# KiCad board TM_MUX_Board_REV_B.kicad_pcb
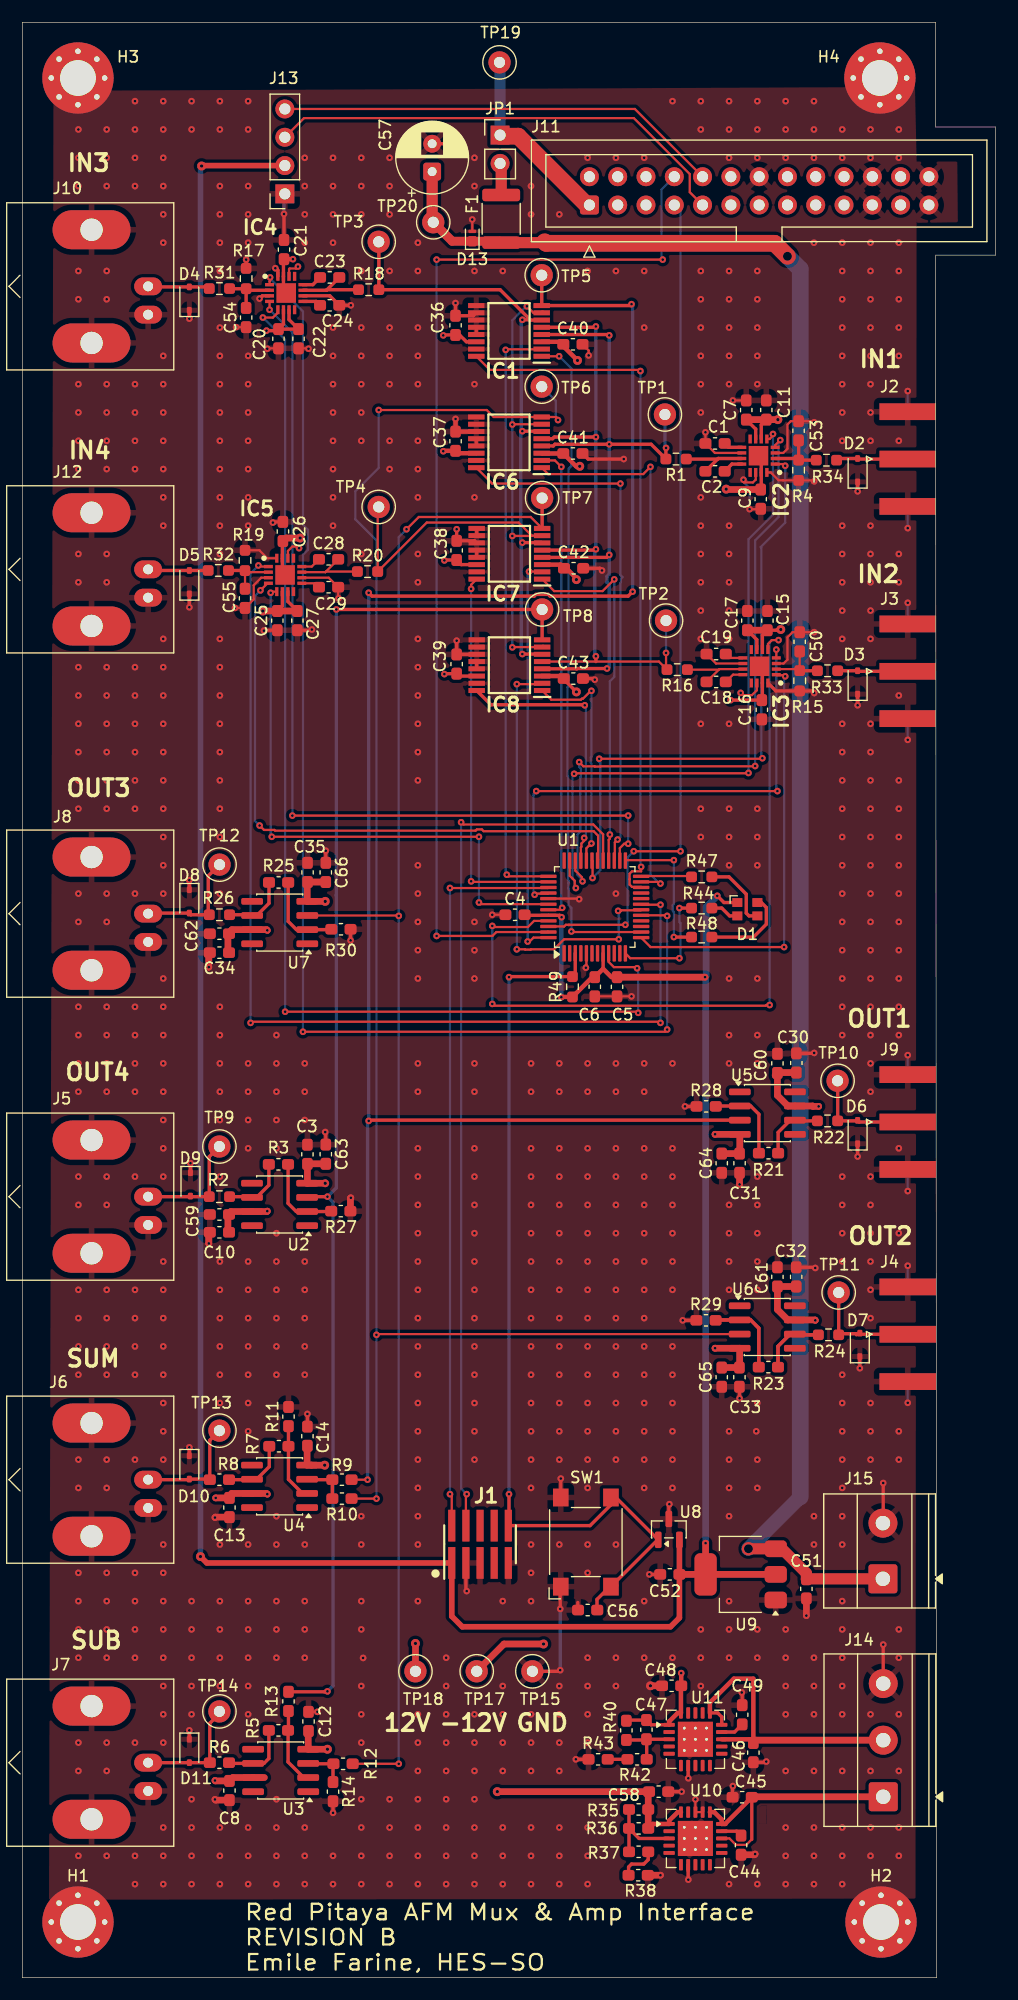
[diagram p0: board, top side]
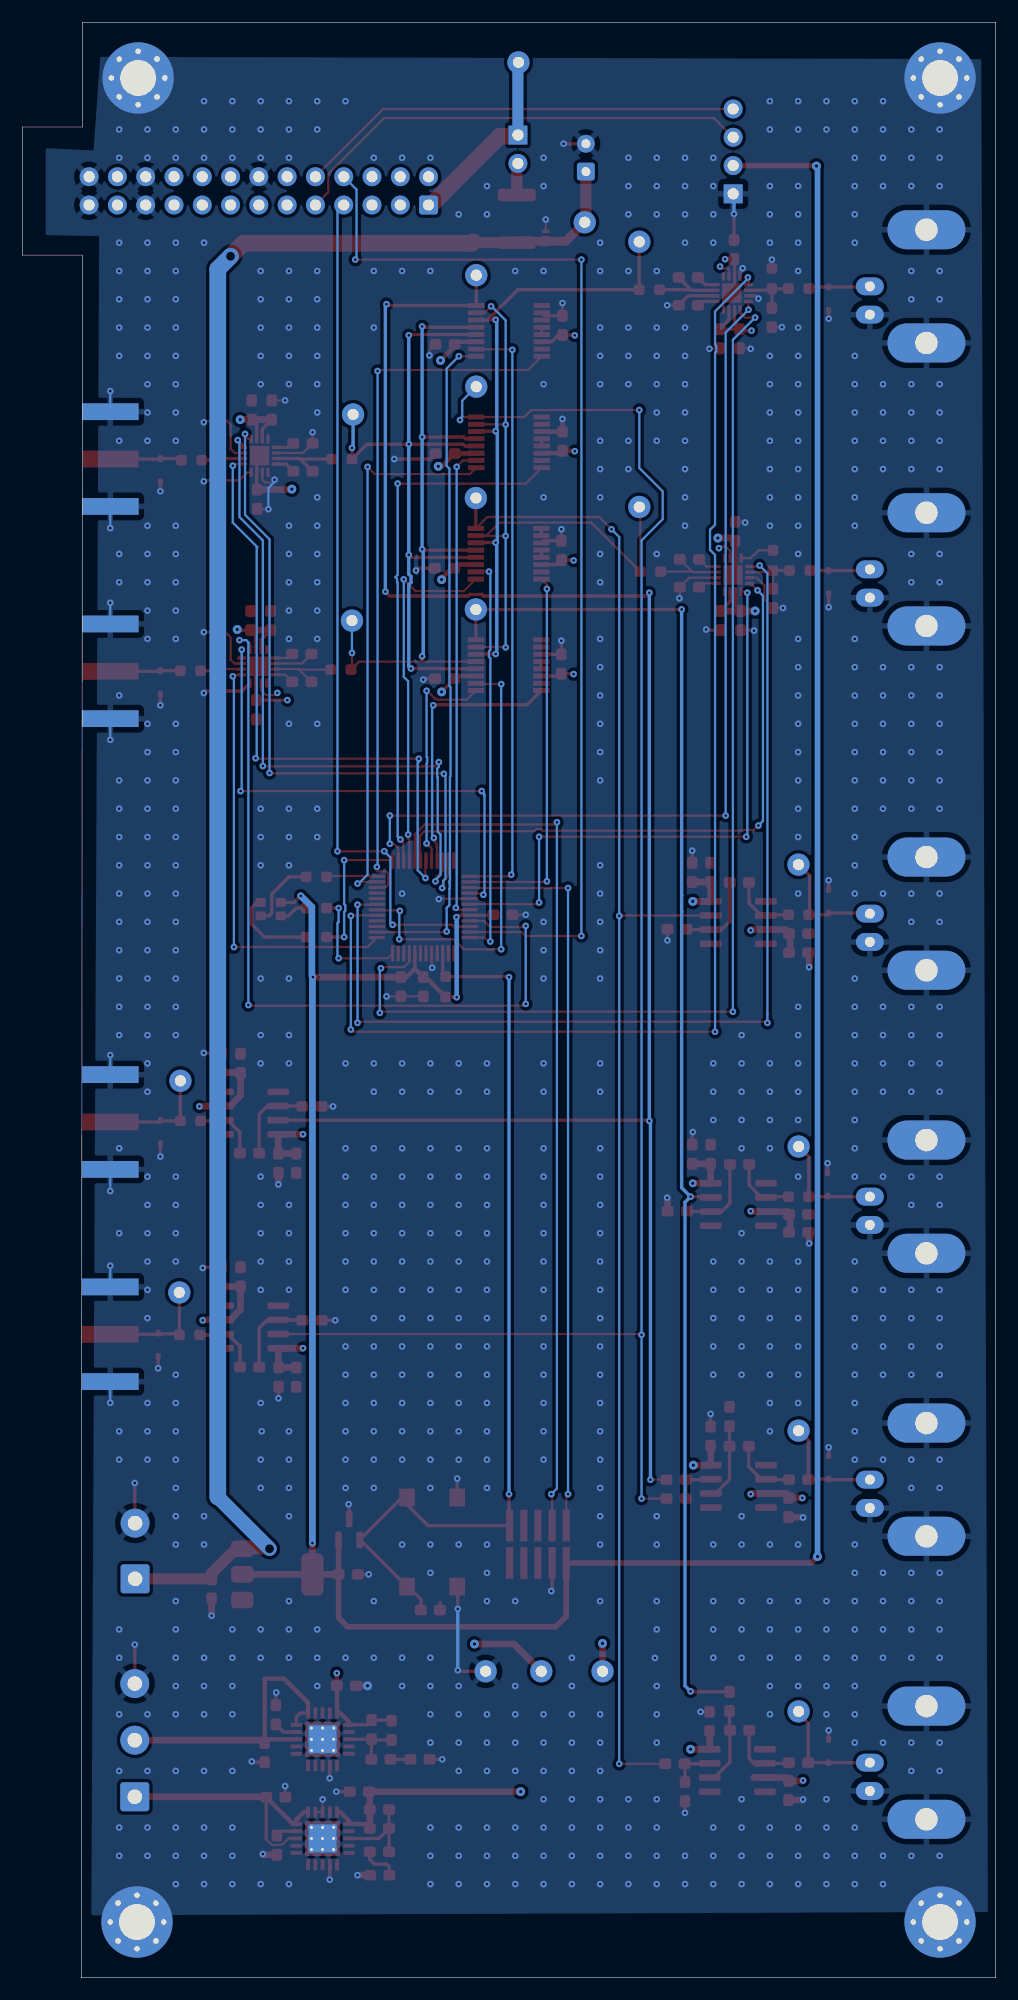
[diagram p1: board, bottom side, seen from below]

Outline 87.4 x 175.5 mm; copper layers: Top, In1.Cu (plane), In2.Cu (plane), Bottom. Coordinates in mm from the lower left corner of the outline.
Outline path: 0,170.8 0,175.5 82,175.5 82,166.1 87.4,166.1 87.4,154.6 82,154.6 82.1,0 0,0 0,170.8
Stack: Top 0.035mm / dielectric 0.1mm FR4 er 4.5 / In1.Cu 0.035mm / dielectric 1.24mm FR4 er 4.5 / In2.Cu 0.035mm / dielectric 0.1mm FR4 er 4.5 / Bottom 0.035mm

## Placement (name value [footprint] x y rotation side)
C1  100pF  [C_0603_1608Metric_Pad1.08x0.95mm_HandSolder]  62.2 137.7 180 top  (not fitted)
C2  100pF  [C_0603_1608Metric_Pad1.08x0.95mm_HandSolder]  62.2 135.2 180 top  (not fitted)
C3  100nF  [C_0603_1608Metric_Pad1.08x0.95mm_HandSolder]  25.6 73.9 90 top
C4  100nF  [C_0603_1608Metric_Pad1.08x0.95mm_HandSolder]  44.24 95.4 0 top
C5  100nF  [C_0603_1608Metric_Pad1.08x0.95mm_HandSolder]  53.4 88.94 90 top
C6  10uF  [C_0603_1608Metric_Pad1.08x0.95mm_HandSolder]  51.4 88.94 90 top
C7  100nF  [C_0603_1608Metric_Pad1.08x0.95mm_HandSolder]  65 140.7 90 top
C8  100nF  [C_0603_1608Metric_Pad1.08x0.95mm_HandSolder]  18.6 16.8 90 top
C9  100nF  [C_0603_1608Metric_Pad1.08x0.95mm_HandSolder]  66.3 132.7 270 top
C10  100nF  [C_0603_1608Metric_Pad1.08x0.95mm_HandSolder]  17.7 66.9 0 top
C11  100nF  [C_0603_1608Metric_Pad1.08x0.95mm_HandSolder]  66.8 140.7 270 top
C12  100nF  [C_0603_1608Metric_Pad1.08x0.95mm_HandSolder]  25.7 23 90 top
C13  100nF  [C_0603_1608Metric_Pad1.08x0.95mm_HandSolder]  18.6 42.2 90 top
C14  100nF  [C_0603_1608Metric_Pad1.08x0.95mm_HandSolder]  25.6 48.6 90 top
C15  100nF  [C_0603_1608Metric_Pad1.08x0.95mm_HandSolder]  66.9 121.8 270 top
C16  100nF  [C_0603_1608Metric_Pad1.08x0.95mm_HandSolder]  66.4 113.8 270 top
C17  100nF  [C_0603_1608Metric_Pad1.08x0.95mm_HandSolder]  65.1 121.8 90 top
C18  100pF  [C_0603_1608Metric_Pad1.08x0.95mm_HandSolder]  62.3 116.3 180 top  (not fitted)
C19  100pF  [C_0603_1608Metric_Pad1.08x0.95mm_HandSolder]  62.3 118.8 180 top  (not fitted)
C20  100nF  [C_0603_1608Metric_Pad1.08x0.95mm_HandSolder]  23 147.1 90 top
C21  100nF  [C_0603_1608Metric_Pad1.08x0.95mm_HandSolder]  23.5 155.1 90 top
C22  100nF  [C_0603_1608Metric_Pad1.08x0.95mm_HandSolder]  24.8 147.1 270 top
C23  100pF  [C_0603_1608Metric_Pad1.08x0.95mm_HandSolder]  27.6 152.6 0 top  (not fitted)
C24  100pF  [C_0603_1608Metric_Pad1.08x0.95mm_HandSolder]  27.6 150.1 0 top  (not fitted)
C25  100nF  [C_0603_1608Metric_Pad1.08x0.95mm_HandSolder]  22.9 121.8 90 top
C26  100nF  [C_0603_1608Metric_Pad1.08x0.95mm_HandSolder]  23.4 129.8 90 top
C27  100nF  [C_0603_1608Metric_Pad1.08x0.95mm_HandSolder]  24.7 121.8 270 top
C28  100pF  [C_0603_1608Metric_Pad1.08x0.95mm_HandSolder]  27.5 127.3 0 top  (not fitted)
C29  100pF  [C_0603_1608Metric_Pad1.08x0.95mm_HandSolder]  27.5 124.8 0 top  (not fitted)
C30  100nF  [C_0603_1608Metric_Pad1.08x0.95mm_HandSolder]  69.5 82.1 270 top
C31  100nF  [C_0603_1608Metric_Pad1.08x0.95mm_HandSolder]  64.4 73.1 270 top
C32  100nF  [C_0603_1608Metric_Pad1.08x0.95mm_HandSolder]  69.49 62.9 270 top
C33  100nF  [C_0603_1608Metric_Pad1.08x0.95mm_HandSolder]  64.39 53.9 270 top
C34  100nF  [C_0603_1608Metric_Pad1.08x0.95mm_HandSolder]  17.7 92 0 top
C35  100nF  [C_0603_1608Metric_Pad1.08x0.95mm_HandSolder]  25.61 99.2 90 top
C36  100nF  [C_0603_1608Metric_Pad1.08x0.95mm_HandSolder]  38.9 148.3 270 top
C37  100nF  [C_0603_1608Metric_Pad1.08x0.95mm_HandSolder]  38.9 137.9 270 top
C38  100nF  [C_0603_1608Metric_Pad1.08x0.95mm_HandSolder]  39 128.1 270 top
C39  100nF  [C_0603_1608Metric_Pad1.08x0.95mm_HandSolder]  39 117.9 270 top
C40  100nF  [C_0603_1608Metric_Pad1.08x0.95mm_HandSolder]  49.44 146.6 0 top
C41  100nF  [C_0603_1608Metric_Pad1.08x0.95mm_HandSolder]  49.44 136.8 0 top
C42  100nF  [C_0603_1608Metric_Pad1.08x0.95mm_HandSolder]  49.5 126.5 0 top
C43  100nF  [C_0603_1608Metric_Pad1.08x0.95mm_HandSolder]  49.48 116.6 0 top
C44  1uF  [C_0603_1608Metric_Pad1.08x0.95mm_HandSolder]  64.54 11.9 270 top
C45  10uF  [C_0603_1608Metric_Pad1.08x0.95mm_HandSolder]  64.64 16.2 180 top
C46  10uF  [C_0603_1608Metric_Pad1.08x0.95mm_HandSolder]  65.64 20.2 270 top
C47  10nF  [C_0603_1608Metric_Pad1.08x0.95mm_HandSolder]  56.04 22.26 90 top
C48  47uF  [C_0603_1608Metric_Pad1.08x0.95mm_HandSolder]  58.3 26.2 0 top
C49  1uF  [C_0603_1608Metric_Pad1.08x0.95mm_HandSolder]  64.64 23.6 270 top
C50  47pF  [C_0603_1608Metric_Pad1.08x0.95mm_HandSolder]  69.8 119.9 90 top
C51  1uF  [C_0603_1608Metric_Pad1.08x0.95mm_HandSolder]  70.4 34.9 270 top
C52  2u2F  [C_0603_1608Metric_Pad1.08x0.95mm_HandSolder]  58.14 36.2 180 top
C53  47pF  [C_0603_1608Metric_Pad1.08x0.95mm_HandSolder]  69.7 138.84 90 top
C54  47pF  [C_0603_1608Metric_Pad1.08x0.95mm_HandSolder]  20.1 149 270 top
C55  47pF  [C_0603_1608Metric_Pad1.08x0.95mm_HandSolder]  20 123.8 270 top
C56  100nF  [C_0603_1608Metric_Pad1.08x0.95mm_HandSolder]  50.76 33 180 top
C57  220uF 16V  [CP_Radial_D6.3mm_P2.50mm]  36.8 162.1 90 top
C58  47uF  [C_0603_1608Metric_Pad1.08x0.95mm_HandSolder]  57.14 16.7 0 top
C59  1uF  [C_0603_1608Metric_Pad1.08x0.95mm_HandSolder]  17.7 68.5 0 top
C60  1uF  [C_0603_1608Metric_Pad1.08x0.95mm_HandSolder]  67.8 82.06 270 top
C61  1uF  [C_0603_1608Metric_Pad1.08x0.95mm_HandSolder]  67.8 62.9 270 top
C62  1uF  [C_0603_1608Metric_Pad1.08x0.95mm_HandSolder]  17.7 93.7 0 top
C63  1uF  [C_0603_1608Metric_Pad1.08x0.95mm_HandSolder]  27.25 73.91 270 top
C64  1uF  [C_0603_1608Metric_Pad1.08x0.95mm_HandSolder]  62.8 73.1 90 top
C65  1uF  [C_0603_1608Metric_Pad1.08x0.95mm_HandSolder]  62.8 53.9 90 top
C66  1uF  [C_0603_1608Metric_Pad1.08x0.95mm_HandSolder]  27.25 99.2 270 top
D1  LED_ARGB  [LED_ASMB-KTF0-0A306]  65.1 95.9 0 top
D2  SD12_SOD323  [D_SOD-323]  75 135.3 90 top
D3  SD12_SOD323  [D_SOD-323]  75 116.25 90 top
D4  SD12_SOD323  [D_SOD-323]  15 150.7 90 top
D5  SD12_SOD323  [D_SOD-323]  15 125.25 90 top
D6  SD12_SOD323  [D_SOD-323]  75 75.9 90 top
D7  SD12_SOD323  [D_SOD-323]  75.2 56.8 90 top
D8  SD12_SOD323  [D_SOD-323]  15 96.6 270 top
D9  SD12_SOD323  [D_SOD-323]  15.1 71.2 270 top
D10  SD12_SOD323  [D_SOD-323]  15 45.8 270 top
D11  SD12_SOD323  [D_SOD-323]  15 20.35 270 top
D13  PTVS5V0Z1USKP  [Nexperia_DSN1608-2_1.6x0.8mm]  40.4 156.13 90 top
F1  Fuse_Small  [Fuse_1812_4532Metric]  43 157.86 270 top
H1  MountingHole_Pad  [MountingHole_3.2mm_M3_Pad_Via]  5 5 0 top
H2  MountingHole_Pad  [MountingHole_3.2mm_M3_Pad_Via]  77.1 5 0 top
H3  MountingHole_Pad  [MountingHole_3.2mm_M3_Pad_Via]  5 170.5 0 top
H4  MountingHole_Pad  [MountingHole_3.2mm_M3_Pad_Via]  77 170.5 0 top
IC1  ADG1409YRUZ  [SOP65P640X120-16N]  43.7 147.8 180 top
IC2  PGA849RGTR  [QFN50P300X300X100-17N-D]  66.1 136.6 180 top
IC3  PGA849RGTR  [QFN50P300X300X100-17N-D]  66.2 117.7 180 top
IC4  PGA849RGTR  [QFN50P300X300X100-17N-D]  23.7 151.2 0 top
IC5  PGA849RGTR  [QFN50P300X300X100-17N-D]  23.6 125.9 0 top
IC6  ADG1409YRUZ  [SOP65P640X120-16N]  43.7 137.8 180 top
IC7  ADG1409YRUZ  [SOP65P640X120-16N]  43.74 127.8 180 top
IC8  ADG1409YRUZ  [SOP65P640X120-16N]  43.74 117.8 180 top
J1  M50-3600542R  [HUSSP10W40P127_2X5_635X340X420P]  41.1 38.9 0 top
J2  Conn_Coaxial  [SMA_Amphenol_132289_EdgeMount]  79.5 136.3 0 top
J3  Conn_Coaxial  [SMA_Amphenol_132289_EdgeMount]  79.5 117.25 0 top
J4  Conn_Coaxial  [SMA_Amphenol_132289_EdgeMount]  79.5 57.75 0 top
J5  Conn_Coaxial  [BNC_Amphenol_B6252HB-NPP3G-50_Horizontal]  11.3 70.1 90 top
J6  Conn_Coaxial  [BNC_Amphenol_B6252HB-NPP3G-50_Horizontal]  11.3 44.7 90 top
J7  Conn_Coaxial  [BNC_Amphenol_B6252HB-NPP3G-50_Horizontal]  11.3 19.3 90 top
J8  Conn_Coaxial  [BNC_Amphenol_B6252HB-NPP3G-50_Horizontal]  11.3 95.5 90 top
J9  Conn_Coaxial  [SMA_Amphenol_132289_EdgeMount]  79.5 76.8 0 top
J10  Conn_Coaxial  [BNC_Amphenol_B6252HB-NPP3G-50_Horizontal]  11.3 151.8 90 top
J11  Conn_02x13_Odd_Even  [IDC-Header_2x13_P2.54mm_Vertical]  50.92 159.1 90 top
J12  Conn_Coaxial  [BNC_Amphenol_B6252HB-NPP3G-50_Horizontal]  11.3 126.4 90 top
J13  Conn_01x04_Pin  [PinSocket_1x04_P2.54mm_Vertical]  23.58 160.1 180 top
J14  Screw_Terminal_01x03  [TerminalBlock_Phoenix_MKDS-1,5-3-5.08_1x03_P5.08mm_Horizontal]  77.3 16.24 90 top
J15  Screw_Terminal_01x02  [TerminalBlock_Phoenix_MKDS-1,5-2_1x02_P5.00mm_Horizontal]  77.27 35.8 90 top
JP1  Jumper_2_Bridged  [PinHeader_1x02_P2.54mm_Vertical]  42.9 165.38 0 top
R1  47R  [R_0603_1608Metric_Pad0.98x0.95mm_HandSolder]  58.7 136.3 180 top
R2  0R  [R_0603_1608Metric_Pad0.98x0.95mm_HandSolder]  17.7 70.1 180 top
R3  0R  [C_0603_1608Metric_Pad1.08x0.95mm_HandSolder]  23 73 180 top
R4  1MR  [R_0603_1608Metric_Pad0.98x0.95mm_HandSolder]  69.7 135.3 270 top
R5  3kR  [C_0603_1608Metric_Pad1.08x0.95mm_HandSolder]  23 22.2 180 top
R6  0R  [C_0603_1608Metric_Pad1.08x0.95mm_HandSolder]  17.7 19.3 180 top
R7  3kR  [C_0603_1608Metric_Pad1.08x0.95mm_HandSolder]  23.04 47.7 180 top
R8  0R  [C_0603_1608Metric_Pad1.08x0.95mm_HandSolder]  17.7 44.7 180 top
R9  3kR  [C_0603_1608Metric_Pad1.08x0.95mm_HandSolder]  28.7 44.7 180 top
R10  3kR  [C_0603_1608Metric_Pad1.08x0.95mm_HandSolder]  28.7 43 180 top
R11  3kR  [C_0603_1608Metric_Pad1.08x0.95mm_HandSolder]  23.9 50.36 90 top
R12  3kR  [C_0603_1608Metric_Pad1.08x0.95mm_HandSolder]  28.8 19.2 180 top
R13  3kR  [C_0603_1608Metric_Pad1.08x0.95mm_HandSolder]  23.9 24.8 270 top
R14  3kR  [C_0603_1608Metric_Pad1.08x0.95mm_HandSolder]  27.9 16.7 270 top
R15  1MR  [R_0603_1608Metric_Pad0.98x0.95mm_HandSolder]  69.8 116.4 270 top
R16  47R  [R_0603_1608Metric_Pad0.98x0.95mm_HandSolder]  58.8 117.4 180 top
R17  1MR  [R_0603_1608Metric_Pad0.98x0.95mm_HandSolder]  20.1 152.5 90 top
R18  47R  [R_0603_1608Metric_Pad0.98x0.95mm_HandSolder]  31.1 151.5 0 top
R19  1MR  [R_0603_1608Metric_Pad0.98x0.95mm_HandSolder]  20 127.2 90 top
R20  47R  [R_0603_1608Metric_Pad0.98x0.95mm_HandSolder]  31 126.2 0 top
R21  0R  [C_0603_1608Metric_Pad1.08x0.95mm_HandSolder]  67 74 0 top
R22  0R  [R_0603_1608Metric_Pad0.98x0.95mm_HandSolder]  72.3 76.9 0 top
R23  0R  [C_0603_1608Metric_Pad1.08x0.95mm_HandSolder]  66.99 54.8 0 top
R24  0R  [R_0603_1608Metric_Pad0.98x0.95mm_HandSolder]  72.39 57.7 0 top
R25  0R  [C_0603_1608Metric_Pad1.08x0.95mm_HandSolder]  23.01 98.3 180 top
R26  0R  [R_0603_1608Metric_Pad0.98x0.95mm_HandSolder]  17.7 95.4 180 top
R27  3kR  [C_0603_1608Metric_Pad1.08x0.95mm_HandSolder]  28.6 68.8 180 top  (not fitted)
R28  3kR  [C_0603_1608Metric_Pad1.08x0.95mm_HandSolder]  61.4 78.2 0 top  (not fitted)
R29  3kR  [C_0603_1608Metric_Pad1.08x0.95mm_HandSolder]  61.39 59 0 top  (not fitted)
R30  3kR  [C_0603_1608Metric_Pad1.08x0.95mm_HandSolder]  28.61 94.1 180 top  (not fitted)
R31  100R  [R_0603_1608Metric_Pad0.98x0.95mm_HandSolder]  17.7 151.6 0 top
R32  100R  [R_0603_1608Metric_Pad0.98x0.95mm_HandSolder]  17.6 126.3 0 top
R33  100R  [R_0603_1608Metric_Pad0.98x0.95mm_HandSolder]  72.3 117.3 180 top
R34  100R  [R_0603_1608Metric_Pad0.98x0.95mm_HandSolder]  72.2 136.2 180 top
R35  100kR  [C_0603_1608Metric_Pad1.08x0.95mm_HandSolder]  55.34 15.1 0 top
R36  330kR  [C_0603_1608Metric_Pad1.08x0.95mm_HandSolder]  55.34 13.4 0 top
R37  220R  [C_0603_1608Metric_Pad1.08x0.95mm_HandSolder]  55.34 11.3 180 top
R38  10kR  [C_0603_1608Metric_Pad1.08x0.95mm_HandSolder]  55.3 9.2 180 top
R40  1M5R  [C_0603_1608Metric_Pad1.08x0.95mm_HandSolder]  54.24 22.2 90 top
R42  12kR  [C_0603_1608Metric_Pad1.08x0.95mm_HandSolder]  55.2 19.6 0 top
R43  150kR  [C_0603_1608Metric_Pad1.08x0.95mm_HandSolder]  51.7 19.6 0 top
R44  470R  [R_0603_1608Metric_Pad0.98x0.95mm_HandSolder]  61 96 0 top
R47  470R  [R_0603_1608Metric_Pad0.98x0.95mm_HandSolder]  61 98.8 0 top
R48  660R  [R_0603_1608Metric_Pad0.98x0.95mm_HandSolder]  61 93.4 0 top
R49  10kR  [R_0603_1608Metric_Pad0.98x0.95mm_HandSolder]  49.4 88.94 270 top
SW1  SW_Omron_B3FS  [SW_SPST_Omron_B3FS-100xP]  50.6 39.1 90 top
TP1  TestPoint_Small  [TestPoint_Loop_D1.80mm_Drill1.0mm_Beaded]  57.7 140.3 180 top
TP2  TestPoint_Small  [TestPoint_Loop_D1.80mm_Drill1.0mm_Beaded]  57.8 121.8 180 top
TP3  TestPoint_Small  [TestPoint_Loop_D1.80mm_Drill1.0mm_Beaded]  32 155.8 0 top
TP4  TestPoint_Small  [TestPoint_Loop_D1.80mm_Drill1.0mm_Beaded]  32 132 0 top
TP5  TestPoint_Small  [TestPoint_Loop_D1.80mm_Drill1.0mm_Beaded]  46.64 152.8 0 top
TP6  TestPoint_Small  [TestPoint_Loop_D1.80mm_Drill1.0mm_Beaded]  46.64 142.8 0 top
TP7  TestPoint_Small  [TestPoint_Loop_D1.80mm_Drill1.0mm_Beaded]  46.68 132.8 0 top
TP8  TestPoint_Small  [TestPoint_Loop_D1.80mm_Drill1.0mm_Beaded]  46.68 122.8 0 top
TP9  TestPoint_Small  [TestPoint_Loop_D1.80mm_Drill1.0mm_Beaded]  17.7 74.6 180 top
TP10  TestPoint_Small  [TestPoint_Loop_D1.80mm_Drill1.0mm_Beaded]  73.2 80.5 0 top
TP11  TestPoint_Small  [TestPoint_Loop_D1.80mm_Drill1.0mm_Beaded]  73.3 61.5 0 top
TP12  TestPoint_Small  [TestPoint_Loop_D1.80mm_Drill1.0mm_Beaded]  17.71 99.9 180 top
TP13  TestPoint_Small  [TestPoint_Loop_D1.80mm_Drill1.0mm_Beaded]  17.7 49.1 180 top
TP14  TestPoint_Small  [TestPoint_Loop_D1.80mm_Drill1.0mm_Beaded]  17.7 23.9 0 top
TP15  TestPoint_Small  [TestPoint_Loop_D1.80mm_Drill1.0mm_Beaded]  45.8 27.5 0 top
TP17  TestPoint_Small  [TestPoint_Loop_D1.80mm_Drill1.0mm_Beaded]  40.8 27.5 0 top
TP18  TestPoint_Small  [TestPoint_Loop_D1.80mm_Drill1.0mm_Beaded]  35.3 27.5 0 top
TP19  TestPoint_Small  [TestPoint_Loop_D1.80mm_Drill1.0mm_Beaded]  42.85 171.9 180 top
TP20  TestPoint_Small  [TestPoint_Loop_D1.80mm_Drill1.0mm_Beaded]  36.9 157.55 0 top
U1  LPC1114FBD48-301  [LQFP-48_7x7mm_P0.5mm]  51.4 96.1 90 top
U2  OPA828IDR  [SOIC-8_3.9x4.9mm_P1.27mm]  23.1 69.4 180 top
U3  OPA828IDR  [SOIC-8_3.9x4.9mm_P1.27mm]  23.2 18.6 180 top
U4  OPA828IDR  [SOIC-8_3.9x4.9mm_P1.27mm]  23.1 44.1 180 top
U5  OPA828IDR  [SOIC-8_3.9x4.9mm_P1.27mm]  66.9 77.6 0 top
U6  OPA828IDR  [SOIC-8_3.9x4.9mm_P1.27mm]  66.89 58.4 0 top
U7  OPA828IDR  [SOIC-8_3.9x4.9mm_P1.27mm]  23.11 94.7 180 top
U8  MCP120-300TT  [SOT-23]  58.05 40.24 90 top
U9  TLV76133DCY  [SOT-223-3_TabPin2]  64.5 36.2 180 top
U10  TPS7A4701xRGW  [Texas_RGW0020A_VQFN-20-1EP_5x5mm_P0.65mm_EP3.15x3.15mm_ThermalVias]  60.44 12.5 0 top
U11  TPS7A3301RGW  [Texas_RGW0020A_VQFN-20-1EP_5x5mm_P0.65mm_EP3.15x3.15mm_ThermalVias]  60.44 21.4 0 top

## Library data of the parts
C1-C56 C58-C66 = -: Description: Unpolarized capacitor, small symbol; ki_fp_filters: C_*
C57 = -: Description: Polarized capacitor; ki_fp_filters: CP_*
D1 = -: Description: RGB LED, anode/red/green/blue; ki_fp_filters: LED* LED_SMD:* LED_THT:*
D2-D11 = -: Datasheet: https://www.littelfuse.com/~/media/electronics/datasheets/tvs_diode_arrays/littelfuse_tvs_diode_array_sd_c_datasheet.pdf.pdf; Description: 12V, 450W Discrete Bidirectional TVS Diode, SOD-323; ki_fp_filters: D?SOD?323*
D13 = -: Datasheet: https://assets.nexperia.com/documents/data-sheet/PTVS5V0Z1USKP.pdf; Description: 5V, 2000W TVS unidirectional diode, DSN1608-2; ki_fp_filters: *DSN1608?2*
F1 = -: Description: Fuse, small symbol; ki_fp_filters: *Fuse*
H1-H4 = -: Description: Mounting Hole with connection; ki_fp_filters: MountingHole*Pad*
IC1 IC6-IC8 = -: Datasheet: https://datasheet.datasheetarchive.com/originals/distributors/SFDatasheet-4/sf-00085182.pdf; Description: ADG1409YRUZ, Multiplexer Dual 4:1, 12V, 16-Pin, TSSOP; Height: 1.2; Mouser Part Number: 584-ADG1409YRUZ; Mouser Price/Stock: https://www.mouser.co.uk/ProductDetail/Analog-Devices/ADG1409YRUZ?qs=BpaRKvA4VqEJzXPQpvw5Ng%3D%3D; Manufacturer_Name: Analog Devices
IC2-IC5 = -: Datasheet: https://www.ti.com/lit/ds/symlink/pga849.pdf?ts=1751466447660&ref_url=https%253A%252F%252Fwww.ti.com%252Fproduct%252FPGA849; Description: Instrumentation Amplifiers Low-noise wide-bandwidth precision programmable-gain amplifier; Height: 1; Manufacturer_Name: Texas Instruments
J1 = -: Datasheet: https://content.harwin.com/m/4ff27c3c855e2712/original/DRG-00658-Technical-Drawing-Datasheet-M50-360R-pdf.pdf; Description: Archer: 5+5 Pos Plug DIL Straight SMT Connector 3mm pin (T+R); Height: 4.68; Mouser Part Number: 855-M50-3600542R; Mouser Price/Stock: https://www.mouser.co.uk/ProductDetail/Harwin/M50-3600542R?qs=DVxm2sPGGrrPu%2FxuhpV3yw%3D%3D; Manufacturer_Name: Harwin
J2-J10 J12 = -: Description: coaxial connector (BNC, SMA, SMB, SMC, Cinch/RCA, LEMO, ...); ki_fp_filters: *BNC* *SMA* *SMB* *SMC* *Cinch* *LEMO* *UMRF* *MCX* *U.FL*
J11 = -: Description: Generic connector, double row, 02x13, odd/even pin numbering scheme (row 1 odd numbers, row 2 even numbers), script generated (kicad-library-utils/schlib/autogen/connector/); ki_fp_filters: Connector*:*_2x??_*
J13 = -: Description: Generic connector, single row, 01x04, script generated; ki_fp_filters: Connector*:*_1x??_*
J14 = -: Description: Generic screw terminal, single row, 01x03, script generated (kicad-library-utils/schlib/autogen/connector/); ki_fp_filters: TerminalBlock*:*
J15 = -: Description: Generic screw terminal, single row, 01x02, script generated (kicad-library-utils/schlib/autogen/connector/); ki_fp_filters: TerminalBlock*:*
JP1 = -: Description: Jumper, 2-pole, closed/bridged; ki_fp_filters: Jumper* TestPoint*2Pads* TestPoint*Bridge*
R1-R38 R40 R42-R44 R47-R49 = -: Description: Resistor; ki_fp_filters: R_*
SW1 = -: Datasheet: https://omronfs.omron.com/en_US/ecb/products/pdf/en-b3fs.pdf; Description: Omron B3FS 6x6mm single pole normally-open tactile switch; ki_fp_filters: SW*Omron*B3FS*
TP1-TP15 TP17-TP20 = -: Description: test point; ki_fp_filters: Pin* Test*
U1 = -: Datasheet: http://www.nxp.com/docs/en/data-sheet/LPC111X.pdf; Description: 32-bit ARM Cortex-M0 microcontroller, 32KB flash, 8KB SRAM; ki_fp_filters: *QFP*7x7mm*P0.5mm*
U2-U7 = -: ki_fp_filters: SOIC*3.9x4.9mm*P1.27mm*
U8 = -: Datasheet: http://ww1.microchip.com/downloads/en/DeviceDoc/11184d.pdf; Description: Microcontroller supervisory circuit, SOT-23; ki_fp_filters: SOT?23*
U9 = -: Datasheet: https://www.ti.com/lit/ds/symlink/tlv761.pdf; Description: 3.3V, 1A, Low Noise, High-PSRR LDO Regulator, 2.5V...16V input, SOT-223; ki_fp_filters: SOT*223*
U10 = -: Datasheet: https://www.ti.com/lit/ds/symlink/tps7a47.pdf; Description: 1A, Low-Noise Low-Dropout Voltage Regulator, 3-35V Input, Adjustable 1.4-34V Output, VQFN-20; ki_fp_filters: Texas*RGW0020A*
U11 = -: Datasheet: https://www.ti.com/lit/ds/symlink/tps7a33.pdf; Description: 1A, Low-Noise Lod-Dropout Negative Voltage Regulator, -3..-36V Input, Adjustable -1.18...-33V Output, VQFN-20; ki_fp_filters: Texas*RGW0020A*

## Footprints (pads in the part's own frame, mm; a bottom-side part is the same pattern mirrored in y, then rotated)
BNC_Amphenol_B6252HB-NPP3G-50_Horizontal
  oval 1.6x2.5 hole 0.89: 1(0,0) 2(-2.54,0)
  oval 3.5x7 hole 2.01: 2(-5.08,5.08) 2(5.08,5.08)
C_0603_1608Metric_Pad1.08x0.95mm_HandSolder
  rrect 1.075x0.95 smd: 1(-0.863,0) 2(0.863,0)
CP_Radial_D6.3mm_P2.50mm
  rrect 1.6x1.6 hole 0.8: 1(0,0)
  round 1.6 hole 0.8: 2(2.5,0)
D_SOD-323
  rrect 0.6x0.45 smd: 1(-1.05,0) 2(1.05,0)
Fuse_1812_4532Metric
  rrect 1.125x3.4 smd: 1(-2.138,0) 2(2.138,0)
HUSSP10W40P127_2X5_635X340X420P
  rect 0.65x2.85 smd: 1(-2.54,-1.675) 2(-2.54,1.675) 3(-1.27,-1.675) 4(-1.27,1.675) 5(0,-1.675) 6(0,1.675) 7(1.27,-1.675) 8(1.27,1.675) 9(2.54,-1.675) 10(2.54,1.675)
IDC-Header_2x13_P2.54mm_Vertical
  rrect 1.7x1.7 hole 1: 1(0,0)
  round 1.7 hole 1: 2(2.54,0) 3(0,-2.54) 4(2.54,-2.54) 5(0,-5.08) 6(2.54,-5.08) 7(0,-7.62) 8(2.54,-7.62) 9(0,-10.16) 10(2.54,-10.16) 11(0,-12.7) 12(2.54,-12.7) 13(0,-15.24) 14(2.54,-15.24) 15(0,-17.78) 16(2.54,-17.78) 17(0,-20.32) 18(2.54,-20.32) 19(0,-22.86) 20(2.54,-22.86) 21(0,-25.4) 22(2.54,-25.4) 23(0,-27.94) 24(2.54,-27.94) 25(0,-30.48) 26(2.54,-30.48)
LED_ASMB-KTF0-0A306
  rect 0.9x0.8 smd: 1(-0.9,0.6) 2(-0.9,-0.6) 3(0.9,-0.6) 4(0.9,0.6)
LQFP-48_7x7mm_P0.5mm
  rrect 1.475x0.3 smd: 1(-4.162,2.75) 2(-4.162,2.25) 3(-4.162,1.75) 4(-4.162,1.25) 5(-4.162,0.75) 6(-4.162,0.25) 7(-4.162,-0.25) 8(-4.162,-0.75) 9(-4.162,-1.25) 10(-4.162,-1.75) 11(-4.162,-2.25) 12(-4.162,-2.75) 25(4.162,-2.75) 26(4.162,-2.25) 27(4.162,-1.75) 28(4.162,-1.25) 29(4.162,-0.75) 30(4.162,-0.25) 31(4.162,0.25) 32(4.162,0.75) 33(4.162,1.25) 34(4.162,1.75) 35(4.162,2.25) 36(4.162,2.75)
  rrect 0.3x1.475 smd: 13(-2.75,-4.162) 14(-2.25,-4.162) 15(-1.75,-4.162) 16(-1.25,-4.162) 17(-0.75,-4.162) 18(-0.25,-4.162) 19(0.25,-4.162) 20(0.75,-4.162) 21(1.25,-4.162) 22(1.75,-4.162) 23(2.25,-4.162) 24(2.75,-4.162) 37(2.75,4.162) 38(2.25,4.162) 39(1.75,4.162) 40(1.25,4.162) 41(0.75,4.162) 42(0.25,4.162) 43(-0.25,4.162) 44(-0.75,4.162) 45(-1.25,4.162) 46(-1.75,4.162) 47(-2.25,4.162) 48(-2.75,4.162)
MountingHole_3.2mm_M3_Pad_Via
  round 0.8 hole 0.5: 1(-2.4,0) 1(-1.697,1.697) 1(-1.697,-1.697) 1(0,2.4) 1(0,-2.4) 1(1.697,1.697) 1(1.697,-1.697) 1(2.4,0)
  round 6.4 hole 3.2: 1(0,0)
Nexperia_DSN1608-2_1.6x0.8mm
  rrect 0.93x0.7 smd: 1(-0.285,0)
  rrect 0.3x0.7 smd: 2(0.6,0)
PinHeader_1x02_P2.54mm_Vertical
  rect 1.7x1.7 hole 1: 1(0,0)
  round 1.7 hole 1: 2(0,-2.54)
PinSocket_1x04_P2.54mm_Vertical
  rect 1.7x1.7 hole 1: 1(0,0)
  round 1.7 hole 1: 2(0,-2.54) 3(0,-5.08) 4(0,-7.62)
QFN50P300X300X100-17N-D
  rect 0.8x0.3 smd: 1(-1.5,0.75) 2(-1.5,0.25) 3(-1.5,-0.25) 4(-1.5,-0.75) 9(1.5,-0.75) 10(1.5,-0.25) 11(1.5,0.25) 12(1.5,0.75)
  rect 0.3x0.8 smd: 5(-0.75,-1.5) 6(-0.25,-1.5) 7(0.25,-1.5) 8(0.75,-1.5) 13(0.75,1.5) 14(0.25,1.5) 15(-0.25,1.5) 16(-0.75,1.5)
  rect 1.75x1.75 smd: 17(0,0)
R_0603_1608Metric_Pad0.98x0.95mm_HandSolder
  rrect 0.975x0.95 smd: 1(-0.912,0) 2(0.912,0)
SMA_Amphenol_132289_EdgeMount
  rect 5.08x1.5 smd: 1(0,0) 2(0,4.25) 2(0,-4.25)